# KiCad board processed.kicad_pcb (continued)
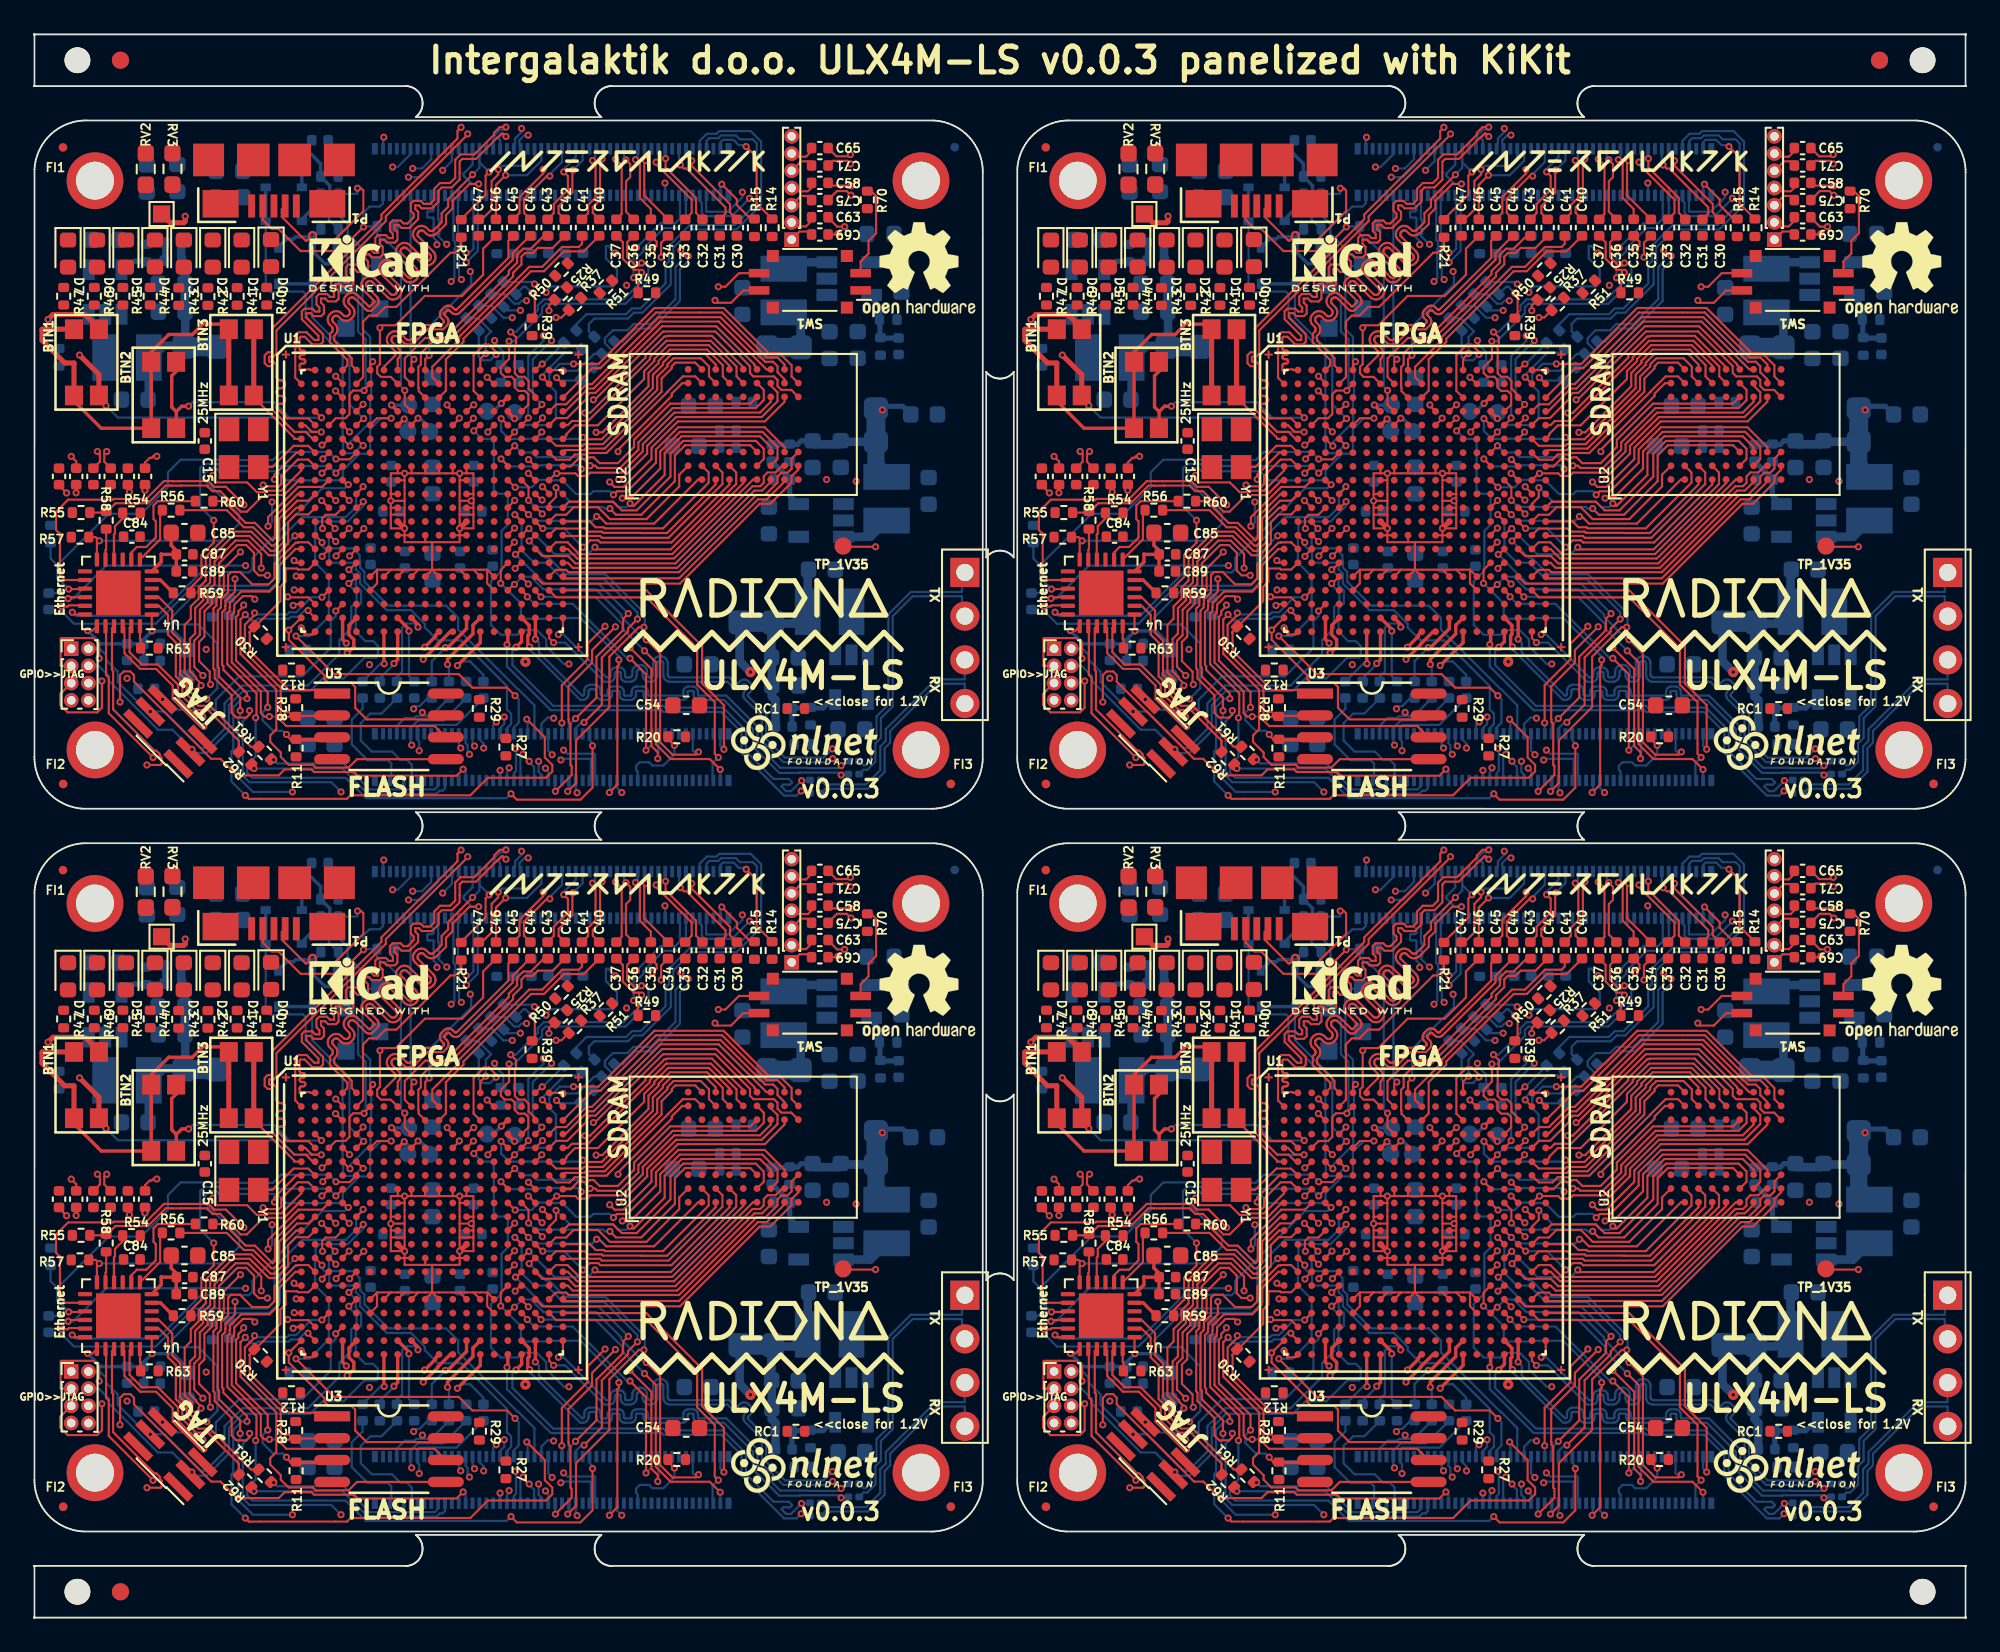
[diagram p0: board, top side]
## Routing (per net, layer and track width the routed paths; a pad name or vN(x,y) marks a point on that pad's centre or on a via; arc(x,y) is an arc through that point) (continued)
Board_3-JTAG_TDI: length 29.1
  Top w0.127: U1#4.R5 75.42,18.89 v1(75.39,18.89)
  Bottom w0.127: v1(75.39,18.89) 75.78,18.5 75.78,17.98 76.09,17.67 76.09,16.95 75.78,16.63 75.78,15.3 76.34,14.74 76.79,14.74 77.07,14.46 77.07,13.88 76.97,13.78 76.29,13.78 75.08,12.58 73.86,12.58 73.13,11.84 69.24,11.84 68.41,11.02 68.41,9.53 67.13,8.24 66.48,8.24 v1(66.27,8.45) 65.13,9.59 64.29,9.59 61.43,12.45 61.43,12.73 60.85,13.3 J6#4.4
Board_3-JTAG_TDO: length 19.4
  Top w0.127: v1(74.62,16.49) U1#4.V4
  In2.Cu w0.127: v1(64.55,11.36) 64.23,11.67 61.71,11.67 61.36,12.02 60.53,12.02 J6#4.6
  Bottom w0.127: v1(74.62,16.49) 74.62,16.2 74.33,15.9 74.33,14.4 74.19,14.26 74.19,14.21 72.67,12.69 69.01,12.69 67.65,11.33 67.65,10.76 67.64,10.75 65.15,10.75 v1(64.55,11.36)
Board_3-Net-(BTN1-Pad1): length 25.9
  Top w0.2: BTN1#3.1 59.41,28.69 60.99,27.11 63.89,27.11 BTN2#4.1 BTN2#4.1 63.9,31.54 64.92,32.56 66.29,32.56 66.96,33.23 67.01,33.23 67.08,33.16 68.11,33.16 BTN3#4.1
  Top w0.3: BTN1#3.1 59.41,30.9 58.87,30.9 57.55,32.22 57.55,32.84 57.58,32.87 BTN1#3.1 ; BTN3#4.1 BTN3#4.1
Board_3-Net-(D10-Pad1): length 1.6
  Bottom w0.2: D10#4.1 72.65,42.52 R4#3.1
Board_3-Net-(D11-Pad2): length 1.4
  Bottom w0.2: R5#4.1 73.09,39.69 72.65,39.25 D11#4.2
Board_3-Net-(D12-Pad1): length 2
  Bottom w0.2: R6#4.1 74,36.67 73.24,37.43 D12#4.1
Board_3-Net-(D13-Pad2): length 2.9
  Bottom w0.2: D13#4.2 71.77,38.11 72.17,38.11 72.29,38.23 73.31,38.23 R7#4.1
Board_3-Net-(R22-Pad2): length 3.5
  Top w0.127: U1#4.A19 87.79,30.49 v1(87.83,30.45)
  Bottom w0.127: v1(87.83,30.45) 88.66,30.45 89.64,31.43 R22#4.2
Board_3-Net-(R23-Pad2): length 2.3
  Top w0.127: U1#4.A18 86.57,30.85 v1(86.61,30.85)
  Bottom w0.127: R23#4.2 86.65,30.85 v1(86.61,30.85)
Board_3-Net-(R24-Pad2): length 4.3
  Top w0.127: v1(83.34,31.46) 83.02,31.15 U1#4.A14
  Bottom w0.127: R24#4.2 82.88,33.5 83.65,32.73 83.34,32.42 v1(83.34,31.46)
Board_3-Net-(R25-Pad2): length 10.3
  Top w0.127: v1(87.01,33.95) 87.01,34.24 R25#4.2 ; v1(82.64,28.48) 82.6,28.48 U1#4.D13
  In2.Cu w0.127: v1(87.01,33.95) 86.74,33.95 85.17,32.37 85.17,31.71 84.46,31 82.46,31 82.2,30.74 82.2,28.92 v1(82.64,28.48)
Board_3-Net-(R26-Pad2): length 11.6
  Top w0.127: U1#4.D12 81.09,28.43 v1(81.09,28.47)
  In2.Cu w0.127: v1(81.09,28.47) 81.09,31.21 84.41,34.53 v1(85.71,34.53)
  Bottom w0.127: v1(85.71,34.53) 85.43,34.53 85.26,34.35 84.99,34.35 84.45,34.89 R26#4.2
Board_3-Net-(R34-Pad1): length 2
  Top w0.127: v1(87.45,30.05) 87.46,30.05 U1#4.B20
  Bottom w0.127: v1(87.45,30.05) 87.62,29.89 88.81,29.89 R34#4.1
Board_3-Net-(R35-Pad1): length 3.6
  Top w0.127: U1#4.B19 v1(86.63,30.08)
  Bottom w0.127: v1(86.63,30.08) 86.63,30.21 87.93,31.51 88.74,31.51 R35#4.1
Board_3-Net-(R36-Pad1): length 7.3
  Top w0.127: v1(83.94,31.4) 83.94,31.55 83.51,31.97 83.25,31.97 82.63,31.36 82.63,29.29 U1#4.C14
  Bottom w0.127: v1(83.94,31.4) 83.6,31.06 83.15,31.06 82.93,31.28 R36#4.1
Board_3-Net-(R37-Pad1): length 11.4
  Top w0.127: v1(87.42,33.55) 87.73,33.55 R37#3.1 ; U1#4.E13 v1(82.62,27.69)
  In2.Cu w0.127: v1(87.42,33.55) 86.7,33.55 85.42,32.27 85.42,31.61 84.46,30.64 82.46,30.64 82.46,29.23 83.04,28.65 83.04,28.11 v1(82.62,27.69)
Board_3-Net-(R38-Pad1): length 10.4
  Top w0.127: v1(81.8,27.7) 81.8,27.68 U1#4.E12
  In2.Cu w0.127: v1(85.35,33.96) 84.21,33.96 81.38,31.13 81.38,28.76 81.8,28.33 v1(81.8,27.7)
  Bottom w0.127: R38#4.1 84.59,33.96 v1(85.35,33.96)
Board_3-Net-(R54-Pad1): length 2.9
  Top w0.127: R54#4.1 62.24,21.87 61.79,21.43 61.79,20.99 61.73,20.92 61.73,19.49 U4#4.10
Board_3-Net-(R56-Pad1): length 3.4
  Top w0.127: U4#4.7 64.41,20.66 64.41,22.23 R56#4.1
Board_3-Net-(R58-Pad2): length 1.8
  Top w0.127: R58#4.2 61.28,20.07 61.24,20.03 U4#4.11
Board_3-Net-(R60-Pad1): length 6.6
  Top w0.127: R60#4.1 64.28,22.87 64.03,22.63 64.03,21.84 64.16,21.71 64.16,20.77 63.61,20.21 63.06,20.21 62.74,19.89 U4#4.8
Board_3-Net-(R70-Pad2): length 5.5
  Top w0.127: SW1#4.2 105.12,36.8 105.58,37.26 105.58,38 106.02,38.45 106.02,40.6 105.73,40.89 R70#4.2
Board_3-Net-(TP_C16-Pad1): length 1.5
  Top w0.2: v1(84.24,28.55) 84.58,28.89 U1#4.C16
  Bottom w0.2: TP_C16#4.1 83.78,28.09 v1(84.24,28.55)
Board_3-Net-(TP_D8-Pad1): length 1.5
  Top w0.2: v1(77.86,28.46) 78.22,28.1 U1#4.D8
  Bottom w0.2: TP_D8#4.1 77.87,28.45 v1(77.86,28.46)
Board_3-Net-(TP_D16-Pad1): length 0.9
  Top w0.2: v1(85.01,27.67) 84.62,28.06 U1#4.D16
  Bottom w0.2: TP_D16#4.1 85.02,27.68 v1(85.01,27.67)
Board_3-Net-(TP_E8-Pad1): length 1.3
  Top w0.2: U1#4.E8 78.24,27.29 v1(78.6,27.65)
  Bottom w0.2: v1(78.6,27.65) 78.81,27.44 TP_E8#4.1
Board_3-Net-(TP_E9-Pad1): length 1.7
  Top w0.127: U1#4.E9 79.02,27.31 v1(79.4,27.69)
  Bottom w0.2: TP_E9#4.1 80.08,27.12 79.51,27.69 v1(79.4,27.69)
Board_3-nEXTRST: length 16.9
  Top w0.127: U1#4.U20 92.67,17.69 95.91,14.45 95.91,12.29 97.17,11.02 v1(97.17,8.45)
  Bottom w0.127: v1(97.17,8.45) 96.97,8.66 J1#4.100
Board_3-PCIe_CLK_nREQ: length 19.2
  Top w0.127: U1#4.A10 79.82,31.12 v1(80.05,31.35)
  In2.Cu w0.127: v1(82.44,36.22) 82.71,36.49 82.71,37.51 81.61,38.61 81.61,42.38 80.71,43.28 78.15,43.28 v1(77.41,44.02)
  Bottom w0.127: v1(82.44,36.22) 82.49,36.17 82.49,35.46 80.06,33.03 80.06,31.36 v1(80.05,31.35) ; v1(77.41,44.02) 77.37,43.98 J2#4.2
Board_3-PCIe_CLK_P: length 35.3
  Top w0.127: C59#3.1 59.54,25.19 v1(59.25,25.48)
  In2.Cu w0.127: v1(59.25,25.48) 59.1,25.63 59.1,26.57 60.04,27.51 66.28,27.51 68.65,29.89 68.67,29.89 68.84,29.72 69.07,29.72 69.38,30.03 69.38,30.26 69.21,30.43 69.21,30.45 71.19,32.42 71.19,32.71 71.02,32.87 71.02,32.95 71.13,33.05 71.2,33.05 71.71,32.54 72,32.54 72.25,32.8 72.25,33.11 71.98,33.39 71.97,33.39 71.76,33.61 71.76,33.68 71.86,33.78 71.94,33.78 72.1,33.62 72.39,33.62 73.67,34.9 73.67,35.2 73.44,35.42 73.44,35.85 73.86,35.85 74.09,35.62 74.72,35.62 77.99,38.89 77.99,40.53 78.24,40.78 78.24,40.83 77.99,41.08 77.99,42.23 v1(77.93,42.3)
  Bottom w0.127: v1(77.93,42.3) 78.22,42.3 78.97,43.04 J2#4.10
Board_3-PCIe_nRST: length 10.3
  Top w0.127: v1(79.17,31.12) 79.02,30.98 U1#4.A9
  Bottom w0.127: v1(79.17,31.12) 78.97,31.32 J2#4.9
Board_3-PCIe_RX_N: length 35.2
  Top w0.127: v1(60.77,25.76) 60.91,25.62 60.91,25.17 C67#4.2
  In2.Cu w0.127: v1(60.77,25.76) 60.91,25.91 60.91,26.2 61.29,26.57 61.85,26.57 62.13,26.3 62.13,25.79 62.26,25.66 62.38,25.79 62.38,26.92 62.65,27.18 62.88,27.18 63.14,26.92 63.14,26.69 63.26,26.57 63.58,26.57 64.15,27.14 64.59,27.14 64.69,27.24 64.89,27.24 64.99,27.14 65.19,27.14 65.29,27.24 65.49,27.24 65.59,27.14 67.24,27.14 67.24,27.3 67.07,27.47 67.07,27.84 67.24,28.01 67.61,28.01 67.78,27.84 67.94,27.84 67.95,27.85 67.95,28.02 67.79,28.18 67.79,28.55 67.95,28.72 68.32,28.72 68.49,28.56 68.65,28.56 70.95,30.86 79.33,39.24 79.33,41.56 79.19,41.7 v1(78.84,41.7)
  Bottom w0.127: J2#4.18 80.57,42.75 79.52,41.7 v1(78.84,41.7)
Board_3-PCIe_RX_P: length 35.5
  Top w0.127: v1(61.31,25.76) 61.17,25.62 61.17,25.17 C61#4.1
  In2.Cu w0.127: v1(79.09,42.21) 79.59,41.71 79.59,39.64 79.71,39.51 80.02,39.51 80.15,39.39 80.02,39.26 79.71,39.26 68.84,28.39 68.76,28.3 68.38,28.3 68.22,28.47 68.06,28.47 68.04,28.45 68.04,28.29 68.2,28.12 68.2,27.75 68.04,27.59 67.67,27.59 67.51,27.75 67.34,27.75 67.33,27.74 67.33,27.57 67.49,27.41 67.49,27.04 67.34,26.89 65.03,26.89 64.83,26.69 64.73,26.69 64.53,26.89 64.25,26.89 63.68,26.32 63.15,26.32 62.89,26.58 62.89,26.81 62.78,26.93 62.75,26.93 62.64,26.81 62.64,25.68 62.36,25.41 62.15,25.41 61.87,25.68 61.87,26.19 61.75,26.32 61.39,26.32 61.17,26.09 61.17,25.91 v1(61.31,25.76)
  Bottom w0.127: v1(79.09,42.21) 79.63,42.21 80.17,42.75 J2#4.16
Board_3-PCIe_TX_P: length 34.6
  Top w0.127: v1(64.22,25.48) 64.01,25.48 63.92,25.39 63.81,25.39 63.54,25.12 C55#4.1
  In2.Cu w0.127: v1(64.22,25.48) 64.31,25.58 64.67,25.58 65.26,26.17 65.67,26.17 65.84,25.99 65.97,25.99 66.14,26.17 67.84,26.17 69.06,27.39 69.08,27.41 69.11,27.42 69.15,27.43 69.18,27.43 69.21,27.42 69.24,27.41 69.27,27.39 69.71,26.94 69.78,26.89 69.85,26.85 69.94,26.83 70.02,26.83 70.11,26.85 70.18,26.89 70.25,26.94 70.28,26.97 70.33,27.04 70.37,27.12 70.39,27.2 70.39,27.29 70.37,27.37 70.33,27.45 70.28,27.51 69.84,27.96 69.82,27.98 69.8,28.01 69.8,28.04 69.8,28.08 69.8,28.11 69.82,28.14 69.84,28.16 69.86,28.18 69.89,28.2 69.92,28.21 69.96,28.21 69.99,28.2 70.02,28.18 70.04,28.16 70.49,27.72 70.55,27.67 70.63,27.63 70.71,27.61 70.8,27.61 70.88,27.63 70.96,27.67 71.03,27.72 71.06,27.75 71.11,27.82 71.15,27.9 71.17,27.98 71.17,28.06 71.15,28.15 71.11,28.22 71.06,28.29 70.61,28.74 70.59,28.76 70.58,28.79 70.57,28.82 70.57,28.85 70.58,28.89 70.59,28.92 70.61,28.94 70.64,28.96 70.67,28.98 70.7,28.98 70.73,28.98 70.77,28.98 70.8,28.96 70.82,28.94 71.12,28.64 71.19,28.58 71.27,28.55 71.35,28.53 71.44,28.53 71.52,28.55 71.6,28.58 71.66,28.64 71.7,28.67 71.75,28.74 71.79,28.81 71.81,28.9 71.81,28.98 71.79,29.07 71.75,29.14 71.7,29.21 71.39,29.51 71.37,29.54 71.36,29.57 71.35,29.6 71.35,29.63 71.36,29.66 71.37,29.69 71.39,29.72 71.4,29.72 71.41,29.72 71.51,29.62 71.55,29.58 71.6,29.56 71.66,29.54 71.71,29.54 71.77,29.56 71.82,29.58 71.86,29.62 72.08,29.83 72.11,29.88 72.14,29.93 72.15,29.98 72.15,30.04 72.14,30.09 72.11,30.14 72.08,30.19 71.98,30.29 71.97,30.3 71.98,30.3 75.9,34.22 76.29,34.22 76.79,34.72 76.79,34.73 80.83,38.78 80.83,40.32 80.98,40.47 81.18,40.47 81.33,40.62 81.18,40.77 80.98,40.77 80.83,40.92 v1(80.83,42.1)
  Bottom w0.127: J2#4.22 81.37,42.64 v1(80.83,42.1)
Board_3-RGMII_REF_CLK: length 26
  Top w0.127: U1#4.H2 73.02,25.29 72.41,25.29 71.46,24.34 71.46,23.87 71.32,23.74 70.48,23.74 v1(70.4,23.82) ; U4#4.14 58.89,18.29 58.59,18.59 58.59,21 58.56,21 58.37,21.19 58.37,22.26 59.07,22.96 61.67,22.96 61.71,23.01 63.6,23.01 64.63,24.04 65.15,24.04 65.15,24.03 65.54,24.03 65.54,24.04 67.23,24.04 67.56,23.71 68.24,23.71 v1(69.28,22.67)
  In2.Cu w0.127: v1(70.4,23.82) 70.48,23.74 71.1,23.74 71.33,23.51 71.33,22.53 71.12,22.33 70.74,22.33 70.48,22.58 69.36,22.58 v1(69.28,22.67)
Board_3-RGMII_RX_DV: length 14.3
  Top w0.127: R55#4.2 61.22,22.21 R58#4.1 61.34,22.27 61.82,22.75 63.71,22.75 64.74,23.78 65.04,23.78 65.05,23.78 65.64,23.78 65.65,23.78 67.12,23.78 67.18,23.73 67.19,23.73 67.46,23.46 67.91,23.46 69.1,22.27 69.46,22.27 70.32,23.13 70.63,23.13 70.73,23.23 71.62,23.23 72.48,24.09 U1#4.J1
Board_3-RGMII_RXD0: length 7.9
  Top w0.127: U1#4.K1 72.41,23.29 71.09,21.97 71.09,20.73 70.95,20.59 69.93,21.62 69.39,21.62 68.13,22.87 R60#4.2
Board_3-RGMII_RXD1: length 10.7
  Top w0.127: U1#4.K2 73.03,22.9 72.38,22.9 71.34,21.86 71.34,20.62 71.02,20.3 70.89,20.3 69.82,21.36 69.28,21.36 68.29,22.35 R56#4.2
Board_3-RGMII_TX_CLK: length 16.9
  Top w0.127: R59#4.2 66.2,17.86 66.81,18.48 66.81,19.75 67.53,20.46 v1(67.53,21.77) ; U1#4.H4 v1(74.63,24.51)
  Bottom w0.127: v1(67.53,21.77) 66.74,22.55 66.74,24.79 66.98,25.03 67.78,25.03 67.89,24.92 74.21,24.92 v1(74.63,24.51)
Board_3-RGMII_TX_EN: length 20.3
  Top w0.127: v1(74.62,22.91) 74.6,22.91 U1#4.K3 ; v1(59.07,17.22) 59.15,17.29 U4#4.16
  In2.Cu w0.127: v1(74.62,22.91) 74.22,23.32 73.19,23.32 71.34,21.47 71.34,20.62 69.86,19.13 v1(69.38,19.13)
  Bottom w0.127: v1(69.38,19.13) 61.28,19.13 59.37,17.22 v1(59.07,17.22)
Board_3-RGMII_TXD0: length 25
  Top w0.127: v1(58.69,16.75) 59.05,16.75 59.12,16.82 60.03,16.82 U4#4.17 ; v1(76.21,23.72) 76.21,23.68 U1#4.K5
  Bottom w0.127: v1(58.69,16.75) 58.69,16.48 59.41,15.75 64.16,15.75 66.37,17.96 70.64,17.96 71.06,18.38 71.06,20.34 72.67,21.95 75.21,21.95 75.8,22.55 75.8,23.31 v1(76.21,23.72)
Board_3-RGMII_TXD1: length 20.9
  Top w0.127: U4#4.18 59.44,16.29 v1(59.31,16.42) ; U1#4.J4 75.28,23.84 v1(75.35,23.84)
  Bottom w0.127: v1(75.35,23.84) 75.14,23.63 73.84,23.63 69.78,19.57 69.78,18.94 69.57,18.73 69.12,18.73 69.09,18.76 66.81,18.76 64.26,16.21 59.52,16.21 v1(59.31,16.42)
Board_3-RUN_PG: length 20.2
  Top w0.127: U1#4.U16 84.96,18.04 v1(85.01,18.04) ; v1(92.67,14.82) 93.47,14.02 93.47,8.87 94.19,8.14 95.54,8.14 v1(95.7,8.3)
  Bottom w0.127: J1#4.92 95.37,8.39 95.47,8.29 95.69,8.29 v1(95.7,8.3) ; v1(92.67,14.82) 92.55,14.82 91.22,16.15 91.22,16.27 89.74,17.75 86.69,17.75 85.96,18.48 85.45,18.48 v1(85.01,18.04)
Board_3-SCL0: length 14.8
  Top w0.127: v1(92.65,8.4) 92.65,12.82 v1(91.72,13.74) ; U1#4.U17 85.75,17.36 v1(85.75,17.32)
  Bottom w0.127: v1(92.65,8.4) 92.97,8.72 J1#4.80 ; v1(91.72,13.74) 91.55,13.74 88.38,16.91 86.16,16.91 v1(85.75,17.32)
Board_3-SD_CLK: length 45.2
  Top w0.127: U1#4.G1 72.34,25.69 71.06,24.41 v1(71.06,24.15) ; v1(69.61,10.71) 69.61,10.49 69.42,10.3 68.85,10.3 68.57,10.58 68.57,11.6 67.58,12.58 67.58,13.08 67.51,13.15 67.51,16.64 67.69,16.82 67.69,17.27 68.11,17.69 68.11,18.96 v1(69.08,19.92)
  In2.Cu w0.127: v1(69.08,19.92) 69.08,20.4 70.51,21.82 70.97,21.82 71.58,22.43 71.58,23.62 v1(71.06,24.15) ; v1(74.93,5.98) 75.18,5.73 83.9,5.73 84.45,6.27 85.05,6.27 85.71,5.61 88.33,5.61 v1(88.65,5.93)
  Bottom w0.127: J1#4.57 88.57,6.01 v1(88.65,5.93) ; v1(74.93,5.98) 74.36,6.55 69.6,6.55 69.22,6.93 69.22,7.64 69.22,10.09 69.61,10.49 v1(69.61,10.71)
Board_3-SD_CMD: length 41.3
  Top w0.127: v1(84.8,5.87) 85.14,5.53 88.84,5.53 89.54,6.24 v1(89.54,8.66) ; v1(69.97,10.29) 70.01,10.34 70.01,11.71 68.32,13.4 68.32,16.36 68.45,16.49 68.45,16.69 68.47,16.7 68.47,16.96 69.13,17.62 70.77,17.62 71.32,18.17 71.32,19.13 72.28,20.09 U1#4.P1
  Bottom w0.127: v1(69.97,10.29) 69.97,8.03 69.47,7.53 69.47,7.1 69.78,6.8 75.2,6.8 76.38,5.62 84.55,5.62 v1(84.8,5.87) ; J1#4.62 89.37,8.98 89.54,8.81 v1(89.54,8.66)
Board_3-SD_D0: length 28.7
  Top w0.127: v1(83.42,30.07) 83.8,29.69 U1#4.B15
  In2.Cu w0.127: v1(87.86,8.41) 87.86,8.95 87.48,9.32 87.26,9.32 86.88,9.7 86.88,13.83 86.88,13.83 86.88,15.13 85.96,16.05 85.58,16.05 85.39,16.24 85.39,16.62 84.61,17.41 84.61,18.31 84.11,18.81 84.11,19.91 82.95,21.07 82.95,26.2 83.04,26.29 83.04,27.11 83.3,27.36 83.31,27.36 83.31,28.76 82.86,29.21 82.86,29.51 v1(83.42,30.07)
  Bottom w0.127: v1(87.86,8.41) 88.07,8.2 89.65,8.2 89.69,8.16 89.69,6.72 J1#4.63
Board_3-SD_D1: length 19.4
  Top w0.127: U1#4.R16 84.21,18.89 84.21,18.11 v1(84.21,18.11) ; v1(91.07,13.66) 91.07,13.36 90.98,13.27 90.98,6.41 v1(90.52,5.95)
  Bottom w0.127: v1(90.52,5.95) 90.57,5.99 J1#4.67 ; v1(84.21,18.11) 85.38,16.93 85.38,16.1 85.44,16.04 87.04,16.04 87.08,16.08 88.84,16.08 91.07,13.85 v1(91.07,13.66)
Board_3-SD_D2: length 29
  Top w0.127: v1(82.64,26.96) 82.97,27.29 U1#4.E14
  In2.Cu w0.127: v1(88.17,13.41) 91.03,10.55 91.03,6.15 v1(91.24,5.94)
  Bottom w0.127: v1(88.17,13.41) 87.87,13.41 86.85,14.44 86.85,14.84 86.32,15.38 85.47,15.38 85.2,15.11 84.21,15.11 83.64,15.68 83.64,18.21 84.26,18.83 84.26,21.15 84.62,21.51 84.62,23.13 84.44,23.31 84.05,23.31 83.81,23.56 83.81,26.29 83.6,26.5 83.11,26.5 v1(82.64,26.96) ; v1(91.24,5.94) 90.97,6.22 J1#4.69
Board_3-SD_D3: length 43.4
  Top w0.127: U1#4.P2 73.03,20.49 72.44,20.49 72.42,20.46 72.29,20.46 71.06,19.23 71.06,18.38 70.73,18.05 69.77,18.05 69.05,18.76 68.54,18.76 68.37,18.59 68.37,17.58 67.96,17.17 67.96,16.91 67.95,16.9 67.95,16.7 67.76,16.52 67.76,13.26 67.84,13.19 67.84,12.69 69.07,11.46 v1(69.07,10.7)
  In2.Cu w0.127: v1(87.7,7.84) 87.7,7.65 87.53,7.48 87.53,6.85 87.2,6.52 84.34,6.52 83.8,5.98 75.51,5.98 75.12,6.38 74.74,6.38 74.34,5.98 v1(72.1,5.98)
  Bottom w0.127: v1(87.7,7.84) 87.77,7.9 89.44,7.9 89.44,7.9 89.44,6.72 J1#4.61 ; v1(72.1,5.98) 69.81,5.98 68.96,6.82 68.96,10.3 69.07,10.4 v1(69.07,10.7)
Board_3-SD_PWR_ON: length 29.5
  Top w0.127: U1#4.E15 83.46,26.94 v1(83.46,26.9) ; v1(94.3,8.69) 93.93,9.06 R20#4.1
  In2.Cu w0.127: v1(83.46,26.9) 83.81,26.55 83.81,23.13 83.58,22.9 83.58,21.86 84.05,21.39 84.05,20.39 84.39,20.05 84.39,19 84.88,18.51 85.16,18.51 85.41,18.26 85.41,17.57 85.35,17.51 85.35,17.15 85.63,16.86 86,16.86 86.26,16.61 86.26,16.23 86.42,16.07 87.74,16.07 92.96,10.85 92.96,9.73 94,8.69 v1(94.3,8.69)
  Bottom w0.127: J1#4.75 92.17,7.16 92.07,7.25 92.07,7.5 92.28,7.7 92.83,7.7 93.02,7.51 93.66,7.51 94.3,8.15 v1(94.3,8.69)
Board_3-SDA0: length 16.6
  Top w0.127: v1(93.33,7.92) 93.33,8.28 92.96,8.65 92.96,13.12 v1(91.72,14.36) ; U1#4.T17 85.42,18.45 v1(85.81,18.06)
  In2.Cu w0.127: v1(85.81,18.06) 86.11,17.76 86.72,17.76 90.12,14.36 v1(91.72,14.36)
  Bottom w0.127: v1(93.33,7.92) 93.37,7.95 J1#4.82
Board_3-SDRAM_A0: length 20.5
  Top w0.127: U2#4.H7 100.7,28.65 99.56,27.51 94.5,27.51 92.97,25.98 92.97,25.32 91.35,23.7 90.82,23.7 v1(90.54,23.99) ; U1#4.H16 84.62,24.94 v1(84.22,25.33)
  In2.Cu w0.127: v1(88.89,24.75) 89.64,23.99 v1(90.54,23.99)
  Bottom w0.127: v1(84.22,25.33) 84.66,24.89 86.4,24.89 86.46,24.96 88.67,24.96 v1(88.89,24.75)
Board_3-SDRAM_A1: length 17.9
  Top w0.127: U2#4.H8 100.7,29.96 100.29,30.37 100.29,30.72 100.04,30.98 99.57,30.98 96.98,33.57 93.4,33.57 89.5,29.67 89.18,29.67 88.01,28.5 87.43,28.5 U1#4.D19
Board_3-SDRAM_A2: length 24.3
  Top w0.127: v1(85.01,26.89) 85.01,26.88 U1#4.F16 ; v1(88.44,30.85) 89.89,30.85 93.13,34.1 97.17,34.1 99.78,31.48 100.4,31.48 101.11,30.78 101.11,30.13 U2#4.J8
  Bottom w0.127: v1(88.44,30.85) 87.64,30.85 87.06,30.27 87.06,30.24 87.03,30.21 87.03,29.61 87.41,29.23 87.41,27.69 87.01,27.3 86.25,27.3 86.24,27.3 85.42,27.3 v1(85.01,26.89)
Board_3-SDRAM_A3: length 19.6
  Top w0.127: v1(86.64,27.72) 86.64,27.71 U1#4.E18 ; U2#4.J7 101.09,29.34 100.51,29.34 100.29,29.57 100.29,29.92 100.09,30.13 98.89,30.13 98.69,30.32 98.69,30.72 96.68,32.74 93.64,32.74 89.67,28.77 v1(89.59,28.77)
  In2.Cu w0.127: v1(86.64,27.72) 87.69,28.77 v1(89.59,28.77)
Board_3-SDRAM_A4: length 18.1
  Top w0.127: U2#4.J3 101.11,25.34 101.11,24.77 100.87,24.53 100.51,24.53 100.29,24.3 100.29,23.96 99.56,23.24 99.05,23.24 94.56,18.75 88.14,18.75 88.01,18.89 87.41,18.89 U1#4.T19
Board_3-SDRAM_A5: length 18.6
  Top w0.127: U1#4.T18 86.63,18.09 94.62,18.09 99.26,22.73 99.87,22.73 101.11,23.97 101.11,24.32 101.5,24.71 U2#4.J2
Board_3-SDRAM_A6: length 19.8
  Top w0.127: U2#4.H3 100.7,26.02 99.54,27.17 94.53,27.17 93.22,25.87 93.22,25.11 91.57,23.45 90.96,23.45 v1(90.76,23.25) ; U1#4.J16 85.03,23.68 v1(85.05,23.68)
  Bottom w0.127: v1(85.05,23.68) 86.01,23.68 86.44,24.11 86.82,24.11 86.85,24.09 87.79,24.09 88.59,23.29 89.42,23.29 89.59,23.46 90.54,23.46 v1(90.76,23.25)
Board_3-SDRAM_A7: length 17.4
  Top w0.127: U1#4.P18 86.62,19.69 88.12,19.69 88.55,19.26 94.35,19.26 98.84,23.74 99.29,23.74 99.49,23.95 99.49,24.32 99.71,24.54 100.17,24.54 100.56,24.93 U2#4.H2
Board_3-SDRAM_A8: length 15.4
  Top w0.127: U2#4.H1 100.7,24.01 99.67,22.98 99.16,22.98 94.57,18.39 87.92,18.39 U1#4.T20
Board_3-SDRAM_A9: length 17.4
  Top w0.127: U1#4.L19 87.02,22.72 87.42,23.12 v1(87.42,23.66) ; U2#4.G3 99.9,26.02 99.27,26.64 94.71,26.64 93.73,25.66 93.73,24.4 91.95,22.61 91.85,22.61 v1(91.72,22.74)
  Bottom w0.127: v1(91.72,22.74) 91.51,22.53 91.03,22.53 90.72,22.84 88.24,22.84 v1(87.42,23.66)
Board_3-SDRAM_A10: length 16.5
  Top w0.127: U2#4.H9 100.7,30.82 100.29,31.23 99.67,31.23 97.06,33.84 93.24,33.84 90,30.6 89.53,30.6 U1#4.C20
Board_3-SDRAM_A11: length 18.5
  Top w0.127: U1#4.K19 87.02,23.32 v1(86.63,23.71) ; v1(91.27,23.05) 91.39,23.16 91.87,23.16 93.48,24.77 93.48,25.77 94.61,26.9 99.41,26.9 100.29,26.02 100.29,25.33 U2#4.G2
  In2.Cu w0.127: v1(91.27,23.05) 91.07,22.84 87.5,22.84 v1(86.63,23.71)
Board_3-SDRAM_A12: length 14.4
  Top w0.127: U2#4.G1 99.9,24 99.39,23.49 98.95,23.49 94.46,19 88.39,19 88.1,19.29 U1#4.R20
Board_3-SDRAM_BA0: length 15.4
  Top w0.127: U2#4.G7 99.9,28.65 99.27,28.02 94.3,28.02 92.46,26.19 92.46,25.77 91.23,24.53 89.41,24.53 89.22,24.34 88.7,24.34 88.55,24.49 v1(87.46,24.49) 87.42,24.49 U1#4.J19
Board_3-SDRAM_BA1: length 21.4
  Top w0.127: v1(91.06,24.13) 91.2,24.13 92.72,25.64 92.72,26.08 94.4,27.76 99.37,27.76 100.29,28.68 100.29,29.21 99.9,29.6 U2#4.G8 ; v1(85.02,22.92) 84.62,22.52 U1#4.L16
  In2.Cu w0.127: v1(91.06,24.13) 89.49,25.7 88.76,25.7 88.08,25.02 88.08,24.93 86.44,24.93 86.22,24.72 86.21,24.72 86.21,24.11 v1(85.02,22.92)
Board_3-SDRAM_CKE: length 17.7
  Top w0.127: U1#4.J17 85.82,23.69 v1(85.82,22.93) ; U2#4.F3 98.71,26.13 94.92,26.13 94.33,25.53 94.33,24.04 92.37,22.09 90.91,22.09 v1(90.55,22.44)
  Bottom w0.127: v1(85.82,22.93) 86.21,22.54 90.16,22.54 90.25,22.44 v1(90.55,22.44)
Board_3-SDRAM_CLK: length 15.8
  Top w0.127: U1#4.L20 88.17,22.84 90.74,22.84 91.24,22.34 92.11,22.34 94.07,24.31 94.07,25.64 94.81,26.38 99.03,26.38 99.49,25.92 99.49,25.33 U2#4.F2
Board_3-SDRAM_D0: length 12.5
  Top w0.127: U1#4.J18 85.82,24.49 v1(85.81,24.49) ; v1(91.03,25.76) 91.03,25.87 94.15,29 94.15,29.13 94.76,29.73 U2#4.A8
  In2.Cu w0.127: v1(85.81,24.49) 85.81,24.69 86.51,25.39 88.09,25.39 88.68,25.99 90.79,25.99 v1(91.03,25.76)
Board_3-SDRAM_D1: length 10.9
  Top w0.127: U2#4.B9 95.51,30.93 94.35,30.93 94.15,30.72 94.15,30.6 93.55,30.01 93.55,29.24 90.25,25.93 89.15,25.93 89.06,25.84 87.97,25.84 U1#4.G20
Board_3-SDRAM_D2: length 11.2
  Top w0.127: U2#4.B8 95.51,30.13 94.79,30.13 93.91,29.25 93.91,29.24 90.35,25.68 89.25,25.68 89.16,25.59 88.51,25.59 88.21,25.29 87.43,25.29 U1#4.G19
Board_3-SDRAM_D3: length 17.1
  Top w0.127: v1(84.23,27.67) 84.24,27.67 U1#4.E16 ; v1(88.98,26.58) 89.09,26.47 90.07,26.47 93.05,29.45 93.05,30.22 93.64,30.81 93.64,30.93 94.14,31.43 96.08,31.43 96.7,30.82 U2#4.C9
  Bottom w0.127: v1(84.23,27.67) 84.23,26.95 84.69,26.49 85.73,26.49 85.74,26.5 86.01,26.5 86.02,26.49 88.9,26.49 v1(88.98,26.58)
Board_3-SDRAM_D4: length 13.4
  Top w0.127: U2#4.C8 96.31,30.13 96.31,30.7 95.83,31.18 94.25,31.18 93.89,30.82 93.89,30.71 93.3,30.11 93.3,29.34 90.14,26.19 89.04,26.19 88.95,26.1 87.42,26.1 U1#4.F19
Board_3-SDRAM_D5: length 13
  Top w0.127: U1#4.F20 88.02,26.69 88.02,26.77 88.53,27.28 89.85,27.28 92.54,29.97 92.54,30.43 93.13,31.02 93.13,31.14 93.93,31.94 96.31,31.94 97.5,30.75 U2#4.D9
Board_3-SDRAM_D6: length 16.8
  Top w0.127: U1#4.H18 v1(85.82,25.29) ; U2#4.D8 97.11,30.13 97.11,30.78 96.2,31.69 94.04,31.69 93.38,31.03 93.38,30.92 92.79,30.32 92.79,29.55 90.11,26.87 v1(89.75,26.87)
  In2.Cu w0.127: v1(85.82,25.29) 86.18,25.65 87.47,25.65 88.9,27.08 89.54,27.08 v1(89.75,26.87)
Board_3-SDRAM_D7: length 15.6
  Top w0.127: U2#4.E9 98.3,30.67 96.48,32.48 93.87,32.48 93.84,32.45 93.72,32.45 92.62,31.35 92.62,31.23 92.03,30.64 89.4,28 v1(89.1,28) ; U1#4.F18 86.59,26.86 v1(86.59,26.9)
  In2.Cu w0.127: v1(89.1,28) 89,28.1 87.76,28.1 86.59,26.93 v1(86.59,26.9)
Board_3-SDRAM_D8: length 13.6
  Top w0.127: U1#4.P19 87.41,20.49 88.09,20.49 88.78,19.8 94.17,19.8 98.3,23.92 U2#4.E1
Board_3-SDRAM_D9: length 16.3
  Top w0.127: U2#4.D2 97.89,24.54 97.89,23.87 94.09,20.07 89.81,20.07 v1(89.68,20.2) ; U1#4.N17 85.81,21.28 v1(85.84,21.28)
  Bottom w0.127: v1(85.84,21.28) 87.34,19.78 89.27,19.78 v1(89.68,20.2)
Board_3-SDRAM_D10: length 13.8
  Top w0.127: v1(86.65,21.29) 86.62,21.29 U1#4.M18 ; U2#4.D1 97.5,23.85 94.12,20.47 90,20.47 89.88,20.6 89.39,20.6 v1(88.99,20.2)
  Bottom w0.127: v1(88.99,20.2) 87.9,21.29 v1(86.65,21.29)
Board_3-SDRAM_D11: length 11.9
  Top w0.127: U1#4.N20 87.86,20.85 89.98,20.85 90.09,20.74 93.96,20.74 97.09,23.88 97.09,24.54 U2#4.C2
Board_3-SDRAM_D12: length 11.4
  Top w0.127: U1#4.N19 87.41,21.29 89.1,21.29 89.28,21.11 90.09,21.11 90.16,21.03 92.38,21.03 92.39,21.02 93.87,21.02 96.7,23.85 U2#4.C1
Board_3-SDRAM_D13: length 10.9
  Top w0.127: U2#4.B2 96.29,24.54 96.29,23.95 93.64,21.29 90.26,21.29 90.19,21.36 89.72,21.36 89.39,21.69 U1#4.M20
Board_3-SDRAM_D14: length 10.4
  Top w0.127: U2#4.A2 94.58,24.41 94.58,23.73 92.68,21.83 90.55,21.83 89.86,22.52 88.45,22.52 88.01,22.09 87.41,22.09 U1#4.M19
Board_3-SDRAM_D15: length 12.1
  Top w0.127: U2#4.B1 95.68,24.13 93.12,21.57 90.33,21.57 89.92,21.98 v1(89.78,21.98) ; U1#4.L17 v1(85.82,22.1)
  Bottom w0.127: v1(89.78,21.98) 89.53,21.74 86.18,21.74 v1(85.82,22.1)
Board_3-SDRAM_DQM0: length 13.9
  Top w0.127: U2#4.E8 97.91,30.13 97.91,30.7 96.41,32.2 93.83,32.2 92.88,31.24 92.88,31.13 89.29,27.53 88.34,27.53 88.1,27.29 U1#4.E20
Board_3-SDRAM_DQM1: length 13.4
  Top w0.127: U1#4.P20 88.1,20.09 88.65,19.54 94.28,19.54 98.87,24.13 U2#4.F1
Board_3-SDRAM_nCAS: length 13.5
  Top w0.127: U2#4.F7 98.71,28.54 94.06,28.54 91.95,26.44 91.95,26.03 91.01,25.08 89.95,25.08 89.61,25.42 89.36,25.42 89.25,25.31 88.69,25.31 88.27,24.89 U1#4.H20
Board_3-SDRAM_nCS: length 15.4
  Top w0.127: U2#4.G9 99.65,30.53 96.87,33.31 93.5,33.31 89.61,29.42 89.29,29.42 87.96,28.09 U1#4.D20
Board_3-SDRAM_nRAS: length 18.6
  Top w0.127: U2#4.F8 99.49,29.34 99.49,28.75 99.03,28.28 94.2,28.28 92.21,26.29 92.21,25.87 91.14,24.8 89.83,24.8 89.7,24.94 v1(89.4,24.94) ; U1#4.G16 v1(85.02,26.09)
  Bottom w0.127: v1(89.4,24.94) 88.9,25.44 86.28,25.44 86.01,25.7 85.41,25.7 v1(85.02,26.09)
Board_3-SDRAM_nWE: length 15.7
  Top w0.127: U1#4.E19 87.43,27.7 88.07,27.7 89.19,28.83 89.19,28.97 89.39,29.17 89.71,29.17 93.58,33.04 96.73,33.04 98.94,30.83 98.94,30.78 99.1,30.62 U2#4.F9
Board_3-SRCLK1N: length 1.4
  Top w0.127: C69#4.2 102.1,38.54 101.58,38.54 J5#4.1
Board_3-SRCLK1P: length 1.6
  Top w0.127: J5#4.2 101.34,38.84 101.95,38.84 102.27,39.16 C63#4.1
Board_3-SRX11N: length 1.5
  Top w0.127: J5#4.5 101.66,42.62 102.03,42.62 C71#4.2
Board_3-SRX11P: length 1.5
  Top w0.127: C65#4.1 102.27,43.21 101.95,42.89 101.29,42.89 J5#4.6
Board_3-STX11N: length 1.5
  Top w0.127: J5#4.3 101.65,40.61 102.03,40.61 C75#4.2
Board_3-STX11P: length 1.6
  Top w0.127: C58#4.1 102.27,41.09 102.06,40.88 101.3,40.88 J5#4.4
Board_3-SW1: length 24.2
  Top w0.127: v1(96.66,34.54) 96.8,34.4 97.59,34.4 98.31,35.12 SW1#4.4 ; v1(86.62,22.14) 86.26,22.49 U1#4.L18
  In2.Cu w0.127: v1(86.62,22.14) 88.64,22.14 89.28,21.49 91.98,21.49 92.73,22.24 92.73,30.83 96.44,34.54 v1(96.66,34.54)
Board_3-SW2: length 24.4
  Top w0.127: U1#4.K18 86.57,22.94 v1(86.61,22.94) ; SW1#4.3 98.05,36.12 97.26,35.33 v1(96.85,35.33)
  In2.Cu w0.127: v1(86.61,22.94) 87.14,22.41 89.93,22.41 90.4,21.94 92.01,21.94 92.48,22.41 92.48,30.96 v1(96.85,35.33)
Board_3-US2_ID: length 23.1
  Top w0.127: v1(76.23,38.81) 74.83,37.41 72.58,37.41 71.29,38.71 70.9,38.71 70.38,39.23 P1#4.4 ; v1(78.63,29.31) 78.63,28.49 U1#4.D9
  Bottom w0.127: J2#4.1 77.37,40.19 77.18,40 76.58,40 76.23,39.65 v1(76.23,38.81) 76.27,38.84 R19#4.1 77.01,38.37 77.29,38.09 77.49,38.09 78.41,37.18 78.41,29.54 v1(78.63,29.31)
Board_3-USB_FPGA_D+: length 23.1
  Top w0.127: U1#4.A6 76.62,30.84 v1(76.77,30.98) ; U1#4.F4 75.43,26.08 v1(75.45,26.08)
  Bottom w0.127: v1(75.45,26.08) 75.45,26.29 76.64,27.48 76.64,27.79 76.62,27.81 76.62,28.69 76.68,28.75 76.68,30.9 v1(76.77,30.98) 76.62,31.13 76.62,32.42 76.18,32.86 76.18,36.17 76.55,36.54 D8#4.1 75.31,38.41 75.31,38.97 74.78,39.5 R5#4.2 74.78,39.94 74.27,40.45 74.27,40.84
  Bottom w0.2: R4#3.2 72.29,43.18 73.04,43.18 73.74,42.49 R2#4.2 74.27,41.21 74.27,40.84
Board_3-USB_FPGA_D-: length 16.7
  Top w0.127: U1#4.B6 76.27,29.34 v1(76.27,29.3) 75.63,29.3 75.42,29.09 75.42,27.93 75.18,27.69 74.62,27.69 U1#4.E3
  Bottom w0.127: v1(76.27,29.3) 76.36,29.4 76.36,32.29 75.92,32.73 75.92,34.72 D9#4.1 75.27,35.48 75.27,37.18 R6#4.2 ; R1#4.2 73.75,40.62 74.22,40.14 74.22,39.23 R7#4.2
  Bottom w0.2: R7#4.2 74.76,38.66 R6#4.2
Board_3-USB_FPGA_PULL_D+: length 20.3
  Top w0.127: U1#4.F5 76.21,26.1 v1(76.21,26.1)
  Bottom w0.127: D11#4.1 70.55,35.35 70.88,35.01 71.64,35.01 71.68,35.05 72.72,35.05 72.87,34.9 72.87,33.55 75.02,31.4 75.02,26.31 75.05,26.28 75.05,25.68 75.06,25.66 75.67,25.66 76.11,26.1 v1(76.21,26.1)
  Bottom w0.2: D11#4.1 D10#4.2
Board_3-USB_FPGA_PULL_D-: length 11.6
  Top w0.127: v1(76.24,27.67) 76.2,27.67 U1#4.E5
  Bottom w0.127: D12#4.2 73.25,35.47 73.25,33.55 75.42,31.38 75.42,28.49 v1(76.24,27.67)
  Bottom w0.2: D12#4.2 73.22,35.5 D13#4.1
Board_3-USB_N: length 10.4
  Top w0.127: v1(75.88,41.06) 76.09,41.06 76.22,40.93 76.22,39.73 74.51,38.01 73.67,38.01 73.63,38.02 73.59,38.03 73.55,38.06 73.52,38.09 73.49,38.13 73.48,38.17 73.47,38.21 73.47,38.31 73.47,38.36 73.45,38.4 73.43,38.44 73.4,38.47 73.36,38.49 73.32,38.51 73.27,38.51 73.23,38.51 73.19,38.49 73.15,38.47 73.12,38.44 73.09,38.4 73.08,38.36 73.07,38.31 73.07,38.21 73.07,38.17 73.05,38.13 73.03,38.09 73,38.06 72.96,38.03 72.92,38.02 72.87,38.01 71.48,39.4 71.48,39.83 P1#4.2
  Bottom w0.127: R1#4.1 75.84,40.73 75.88,40.78 v1(75.88,41.06)

## Text on the board
